# KiCad board frankenso.kicad_pcb (continued)
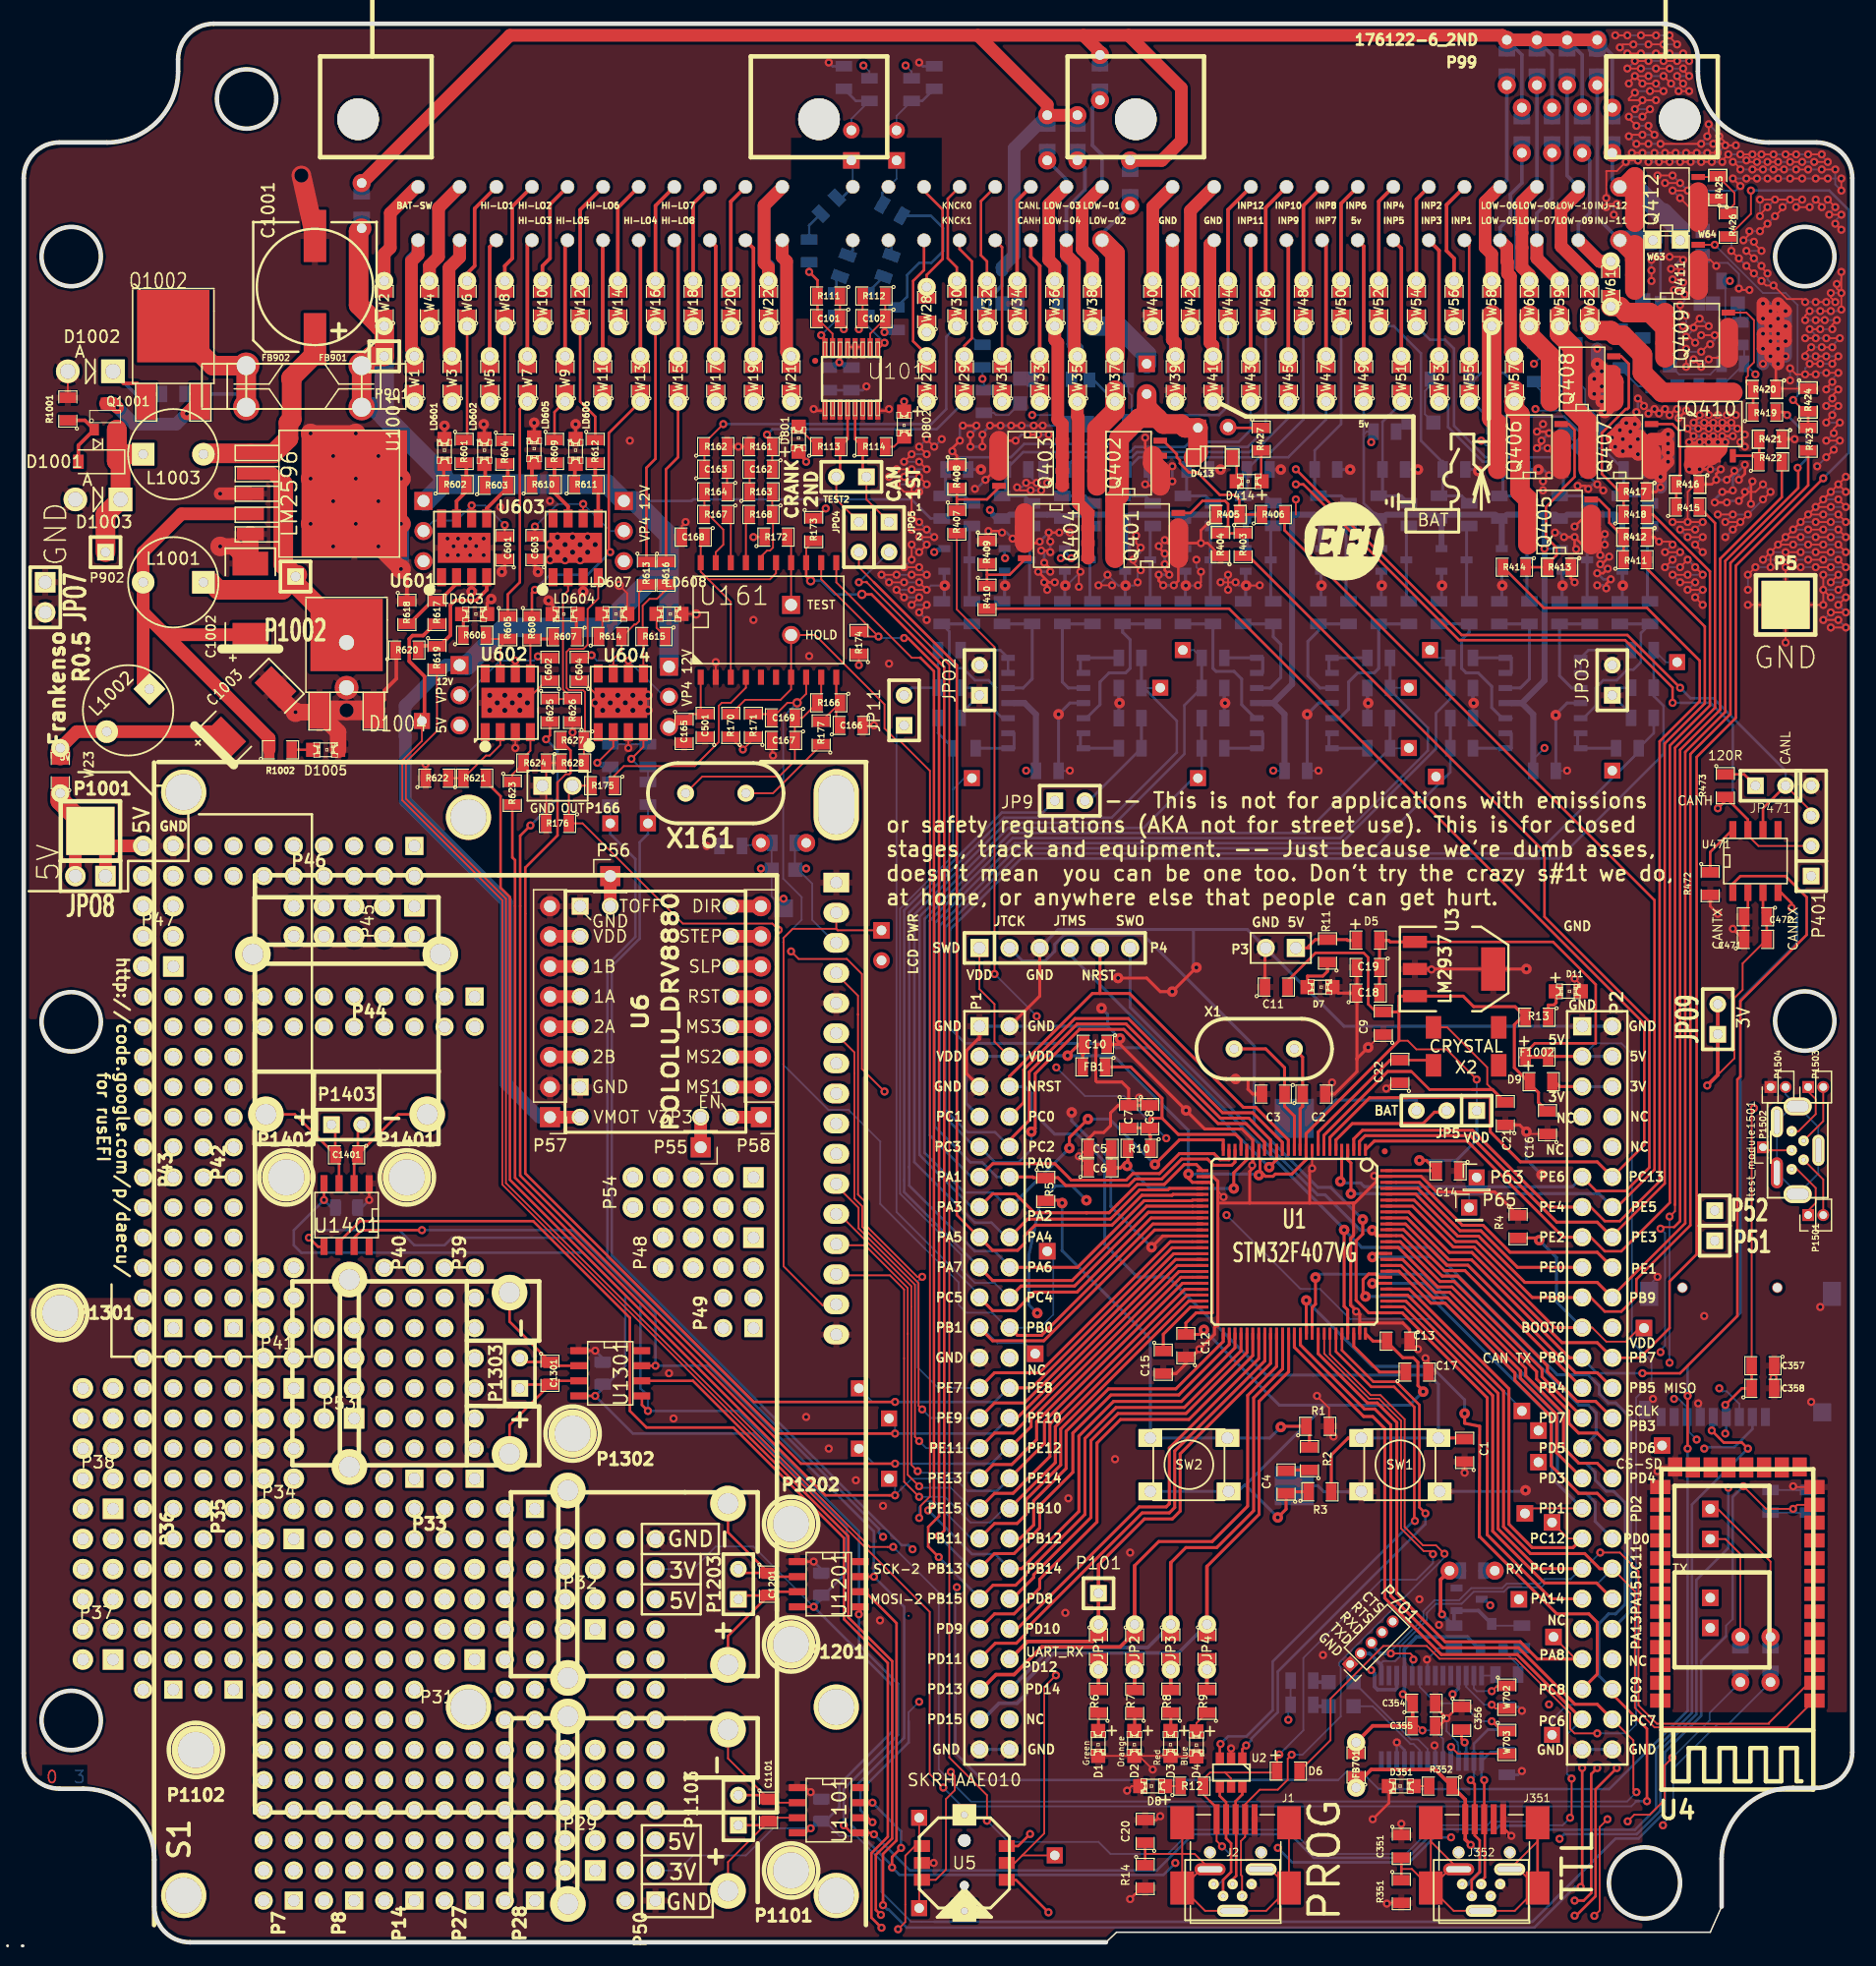
[diagram p0: board, top side]
## Routing (per net, layer and track width the routed paths; a pad name or vN(x,y) marks a point on that pad's centre or on a via; arc(x,y) is an arc through that point) (continued)
(no net): length 16
  Top w0.152: 107.22,120.35 v2(107.22,121.62)
  Bottom w0.254: v1(89.57,62.54) 88.36,63.75 86.96,63.75 85.69,62.48 84.72,57.91 84.72,53.74 v1(85.43,53.03)
/1A: length 1
  Top w0.152: W1.1 W1.1
/1C: length 1
  Top w0.152: W3.1 W3.1
/1E: length 1
  Top w0.152: W5.1 W5.1
/1K: length 1
  Top w0.152: W11.1 W11.1
/1N: length 1
  Top w0.152: W14.1 W14.1
/1Q: length 1
  Top w0.152: W17.1 W17.1
/1R: length 1
  Top w0.152: W18.1 W18.1
/1S: length 1
  Top w0.152: W19.1 W19.1
/1T: length 1
  Top w0.152: W20.1 W20.1
/1U: length 1
  Top w0.152: W21.1 W21.1
/2E: length 1
  Top w0.152: W27.1 W27.1
/2F: length 1
  Top w0.152: W28.1 W28.1
/2I: length 1
  Top w0.152: W31.1 W31.1
/3R: length 1
  Top w0.152: W56.1 W56.1
/232-FROM-MCU: length 92.1
  Top w0.152: v2(132.88,32.85) 134.53,32.85 136.1,31.27 136.1,19.97 137.65,18.42 147.1,18.42 147.1,18.5 150.47,21.87 U4.2 ; v2(115.22,24.34) 116.87,24.34 117.13,24.09 v2(117.13,23.83)
  Top w0.254: 131.35,31.49 127.62,31.49 124.26,34.85 124.26,46.28 116.49,54.05 U1.78
  Bottom w0.152: v2(132.88,32.85) 131.52,31.49 131.26,31.49 130.39,30.61 128.18,30.61 127.8,30.23 125,30.23 124.62,29.85 122,29.85 120.99,28.84 118.91,28.84 117.97,27.9 117.97,27.29 115.22,24.55 v2(115.22,24.34) ; v2(117.13,23.83) 117.03,23.73 U351.5
  Bottom w0.305: v2(115.22,24.34) 114.33,24.34 113.58,25.09 113.58,25.24
/232-TO-MCU: length 92.2
  Top w0.152: P2.38 135.8,29.59 135.8,19.77 137.45,18.12 148.62,18.12 150.88,20.37 U4.1
  Top w0.254: P2.38 132.83,31.49 131.56,32.76 126.99,32.76 124.72,35.03 124.72,46.46 116.63,54.56 U1.79
  Bottom w0.152: P2.38 132.71,30.31 128.3,30.31 127.92,29.93 125.13,29.93 124.75,29.55 122.21,29.55 121.19,28.53 119.03,28.53 118.27,27.77 118.27,27.17 115.99,24.89 115.99,24.1 115.6,23.71 114.59,23.71 114.43,23.55 U351.1
  Bottom w0.305: U351.1 114.43,23.36 113.44,24.34 112.68,24.34
/adc_amp_divider/OUT1: length 127.2
  Top w0.254: P1.10 83.09,67.62 84.74,69.28 84.74,73.36 88.79,77.41 92.91,77.41 100.85,69.47 103.26,69.47 105.09,67.64 U1.17
  Bottom w0.152: R214.2 136.11,100.35 134.53,98.76 P15.1
  Bottom w0.216: P1.10 81.86,68.28 79.54,68.28 77.66,70.16 77.66,85.56 83.88,91.78 127.54,91.78 136.11,100.35 R214.2 137.38,101.92 R215.1
/adc_amp_divider/OUT2: length 126.5
  Top w0.254: v1(104.98,65.34) 105.6,65.96 U1.16
  Bottom w0.152: R224.2 138.4,107.91 P24.1
  Bottom w0.216: 80.1,75.77 79.36,75.77 78.09,77.05 78.09,85.38 84.06,91.35 129.4,91.35 138.21,100.16 138.21,104.22 137.38,105.05 R225.1 R224.2
  Bottom w0.254: P1.7 79.41,70.73 79.41,75.09 80.1,75.77 91.71,75.77 92.08,75.4 94.92,75.4 v1(104.98,65.34)
/adc_amp_divider/OUT3: length 105.6
  Top w0.254: P1.12 85.05,64.51 85.11,64.45 87.17,64.45 87.83,63.79 93.12,63.79 93.67,64.34 95.91,64.34 97.59,66.02 99.78,66.02 100.29,65.5 101.83,65.5 102.09,65.77 U1.23
  Bottom w0.152: P25.1 119.18,108.27 R234.2
  Bottom w0.216: R235.1 120.24,104.81 119.03,103.61 119.03,100.61 111.06,92.64 83.52,92.64 76.79,85.91 76.79,68.74 79.79,65.74 80.78,65.74 82.01,64.51 P1.12
  Bottom w0.254: R234.2 R235.1 119.92,105.73
/adc_amp_divider/OUT4: length 111.8
  Top w0.254: v1(84.93,68.32) 85.25,68.58 85.25,73.22 88.98,76.95 92.72,76.95 100.66,69.01 103,69.01 104.58,67.43 U1.18
  Bottom w0.152: 119.92,98.31 119.92,98.25 P26.1
  Bottom w0.216: R244.2 120.24,98.62 113.83,92.21 83.7,92.21 77.22,85.73 77.22,69.98 80.15,67.05 P1.9 81.86,65.74 83.85,65.74 84.93,66.82 v1(84.93,68.32)
  Bottom w0.254: 120.24,100.33 R244.2 R245.1
/adc_amp_divider/OUT5: length 103.3
  Top w0.254: v1(89.7,69.39) 88.13,67.83 v1(88.13,66.94) ; U1.25 101.1,67.64 97.41,67.64 v1(95.34,65.57)
  Bottom w0.152: P59.1 116.73,100.65 R254.2
  Bottom w0.216: R254.2 108.02,93.5 83.16,93.5 75.93,86.27 75.93,66.56 79.28,63.2 81.69,63.2 82.92,61.97 P1.14
  Bottom w0.254: v1(95.34,65.57) 91.52,69.39 v1(89.7,69.39) ; v1(88.13,66.94) 83.17,61.97 P1.14 ; R255.1 R254.2 115.48,100.65
/adc_amp_divider/OUT6: length 106.7
  Top w0.254: U1.24 101.58,65.96 100.84,65.96 100.32,66.48 97.4,66.48 95.72,64.79 93.48,64.79 92.93,64.25 88.29,64.25 86.91,65.63 81.67,65.63 P1.11
  Bottom w0.152: R265.1 115.18,105.75 P60.1
  Bottom w0.216: R265.1 115.16,105.56 118.34,102.37 118.34,100.44 110.97,93.07 83.34,93.07 76.36,86.09 76.36,68.03 79.88,64.51 P1.11
  Bottom w0.254: R264.2 R265.1 115.48,105.73
/adc_amp_divider/OUT7: length 88.7
  Top w0.254: P1.16 84.62,60.96 91.59,60.96 94.05,63.42 94.05,63.42 96.44,63.42 96.57,63.55 U1.29
  Bottom w0.152: R274.2 98.63,108.92 P61.1
  Bottom w0.216: R275.1 97.82,104.27 97.82,100.16 92.03,94.37 82.8,94.37 75.06,86.63 75.06,65.77 80.17,60.66 81.57,60.66 82.8,59.43 P1.16
  Bottom w0.254: R274.2 R275.1 98.97,105.73
/adc_amp_divider/OUT8: length 84.8
  Top w0.254: 89.57,61.49 85.19,61.49 83.59,63.08 81.66,63.08 P1.13 ; 89.57,61.49 89.63,61.49 ; 89.57,61.49 91.47,61.49 93.86,63.88 96.13,63.88 97.81,65.56 98.83,65.56 U1.26
  Bottom w0.152: P62.1 99.28,98.45 R284.2
  Bottom w0.216: P1.13 79.9,61.97 75.5,66.38 75.5,86.45 82.98,93.94 94.39,93.94 99.28,98.83 R284.2
  Bottom w0.254: R284.2 R285.1
/adc_amp_divider/OUT9: length 71.1
  Top w0.254: P1.17 81.66,55.78 88.37,55.78 94.64,62.05 98.51,62.05 U1.32
  Bottom w0.216: P1.17 74.2,63.24 74.2,86.99 82.45,95.23 85.91,95.23 JP9.1
/adc_amp_divider/OUT10: length 92.1
  Top w0.254: U1.31 98.51,62.56 98.46,62.51 94.44,62.51 88.82,56.89 P1.18
  Bottom w0.152: P64.1 95.77,105.73 R305.1
  Bottom w0.216: 74.63,65.36 74.63,86.81 82.63,94.8 91.7,94.8 97.19,100.29 97.19,102.95 94.41,105.73 R305.1 ; 74.63,65.36 74.63,65.35 ; 74.63,65.36 74.63,63.79 80.17,58.25 81.82,58.25 83.09,56.98 P1.18
  Bottom w0.254: R304.2 R305.1
/adc_amp_divider/OUT11: length 73.9
  Top w0.254: P1.19 81.66,53.24 83.61,53.24 85.17,54.81 88.78,54.81 89.14,55.17 95.02,61.06 U1.34
  Bottom w0.152: JP11.1 73.56,101.93 73.56,61.56 80.55,54.57 P1.19
/adc_amp_divider/OUT12: length 77.3
  Top w0.254: P1.20 84.06,55.32 88.57,55.32 94.79,61.54 U1.33
  Bottom w0.152: 78.33,97.18 78.33,91.59 73.86,87.13 73.86,63.1 79.03,57.94 79.03,56.73 80.17,55.58 81.82,55.58 83.05,54.35 P1.20 ; 78.33,97.18 79.28,98.13 P66.1 ; 78.33,97.18 R324.2
  Bottom w0.216: R324.2 77.06,101.92 R325.1
/AN1-HARN: length 21.5
  Top w0.152: W55.1 W55.1
  Bottom w0.216: R211.1 133.05,125.94 132.49,125.94 129.83,128.61 123.35,128.61 122.08,129.88 W55.1
  Bottom w0.254: R212.1 136.43,121.92 R210.1 134.84,122.24 R211.1
/AN2-HARN: length 28.1
  Top w0.152: W54.1 W54.1
  Bottom w0.216: W54.1 118.52,135.08 119.79,135.08 120.56,134.32 120.56,127.82 123.2,125.18 128.94,125.18 129.76,124.35 R221.1
  Bottom w0.254: R222.1 131.35,121.92 R220.1 129.76,122.24 R221.1 129.76,124.84
/AN3-HARN: length 15
  Top w0.152: W53.1 W53.1
  Bottom w0.152: W53.1 119.54,129.62 120.05,129.62
  Bottom w0.216: R231.1 124.03,124.8 122.97,124.8 120.05,127.72 120.05,129.62
  Bottom w0.254: R232.1 126.27,121.92 R230.1 124.68,122.24 R231.1
/AN4-HARN: length 21.9
  Top w0.152: W52.1 W52.1
  Bottom w0.216: W52.1 115.48,136.23 117.76,133.94 117.76,126.58 119.6,124.73 R241.1
  Bottom w0.254: 119.6,124.84 R241.1 119.6,122.24 119.29,121.92 121.19,121.92 R242.1
/AN5-HARN: length 12.5
  Top w0.152: W51.1 W51.1
  Bottom w0.216: W51.1 116.11,129.75 114.52,128.16 R251.1
  Bottom w0.254: 116.75,121.29 116.11,121.92 114.21,121.92 114.52,122.24 R251.1
/AN6-HARN: length 19.7
  Top w0.152: W50.1 W50.1
  Bottom w0.216: W50.1 111.03,127.97 108.81,125.75 R261.1
  Bottom w0.254: 108.81,124.71 R261.1 108.81,122.24 109.13,121.92 111.03,121.92 111.67,121.29
/AN7-HARN: length 16
  Top w0.152: W47.1 W47.1
  Bottom w0.216: R271.1 104.13,125.18 106.59,125.18 109.76,128.35 W47.1
  Bottom w0.254: 105.32,121.29 104.68,121.92 R270.1 103.09,122.24 R271.1
/AN8-HARN: length 25.7
  Top w0.152: W48.1 W48.1
  Bottom w0.216: W48.1 107.86,128.35 105.11,125.61 103.95,125.61 103.52,125.18 98.84,125.18 98.01,124.35 R281.1
  Bottom w0.254: R282.1 99.6,121.92 R280.1 98.01,122.24 R281.1
/AN9-HARN: length 23
  Top w0.152: W45.1 W45.1
  Bottom w0.216: W45.1 106.59,128.48 104.15,126.04 103.77,126.04 103.34,125.61 98.66,125.61 98.23,125.18 94.01,125.18 92.98,124.14 R291.1
  Bottom w0.254: R292.1 94.52,121.92 R290.1 92.93,122.24 R291.1
/AN10-HARN: length 33.1
  Top w0.152: W46.1 W46.1
  Bottom w0.216: W46.1 104.68,127.56 103.16,126.04 98.48,126.04 98.05,125.61 93.83,125.61 93.4,125.18 88.68,125.18 87.85,124.35 87.85,124.14
  Bottom w0.254: R302.1 89.44,121.92 R300.1 87.85,122.24 87.85,124.14
/AN11-HARN: length 31.1
  Top w0.152: W43.1 W43.1
  Bottom w0.216: R311.1 84.24,125.61 93.22,125.61 93.66,126.04 97.87,126.04 98.3,126.47 102.4,126.47 103.41,127.49 W43.1
  Bottom w0.254: 82.77,124.71 R311.1 82.77,122.24 R310.1 84.36,121.92 R312.1
/AN12-HARN: length 39.3
  Top w0.152: W44.1 W44.1
  Bottom w0.216: R321.1 78.73,125.18 83.2,125.18 84.32,126.3 92.87,126.3 95.31,128.73 100.74,128.73 101.51,129.5 W44.1
  Bottom w0.254: 77.69,124.59 R321.1 77.69,122.24 R320.1 79.28,121.92 R322.1
/CAM: length 10.6
  Top w0.152: JPO5.1 71.03,121.62 TEST2.1
  Top w0.216: TEST2.1 70.71,123.85 R114.1 70.07,126.7 U101.5
/CAM+: length 1.4
  Bottom w0.216: P99.24 73.13,143.22 R104.1
/CAM-: length 4.2
  Bottom w0.152: P99.32 73.57,148.65 73.57,150.2
  Bottom w0.216: P99.32 72.36,147.45 R106.1
/can_brd_1/CAN_RX: length 189.6
  Top w0.216: v2(149,87.21) 149,87.59 148.12,88.48 U471.4 ; v2(140.24,46.06) v2(140.24,41.61)
  Top w0.254: P1.36 83.98,34.03 85.12,35.18 85.12,37.21 87.86,39.94 87.86,43.08 91.43,46.65 97.1,46.65 101.1,50.64 U1.51
  PWR w0.152: P1.36 81.82,32.76 81.82,31.2 80.93,30.31 79.03,30.31 v2(78.65,29.93)
  Bottom w0.152: 110.78,13.67 111.54,14.43 112.68,14.43 114.21,12.91 ; v2(78.65,29.93) 78.52,29.8 78.52,21.42
  Bottom w0.216: v2(149,87.21) 149.45,86.76 149.45,84.22 144.69,79.46 144.69,53.04 140.24,48.6 v2(140.24,46.06) ; 78.52,21.42 78.52,15.96 80.81,13.67 110.78,13.67 ; 114.21,12.91 133.64,12.91 140.24,19.51 v2(140.24,41.61)
/can_brd_1/CAN_TX: length 82.7
  Top w0.216: v2(136.43,47.96) 139.61,47.96 144.43,52.79 144.43,72.73 144.69,72.98 144.69,79.33 150.27,84.92 150.27,88.09 148.5,89.87 144.69,89.87 144.05,89.24 U471.1
  Top w0.254: 131.35,49.27 130.28,49.27 122.02,57.53 120.13,57.53 116.6,61.06 U1.92
  Bottom w0.216: v2(136.43,47.96) 132.62,47.96 131.35,49.23 131.35,49.27
/CANH: length 89.9
  Top w0.152: P401.2 146.21,92.41 145.32,93.3 U471.7 ; W33.1 W33.1
  Top w0.216: v2(142.78,95.59) 143.42,96.22 R473.2 145.32,94.64 U471.7 ; v2(107.22,122.89) 107.86,122.89 120.99,109.76 134.98,109.76 138.97,105.77 v2(138.97,104.48)
  PWR w0.216: v2(107.22,122.89) 105.32,122.89 104.05,124.16 103.61,124.16 102.34,125.43 90.08,125.43 W33.1
  Bottom w0.216: v2(138.97,104.48) 142.18,104.48 144.05,102.61 144.05,96.86 v2(142.78,95.59)
/CANL: length 93.4
  Top w0.152: JP471.2 150.66,95.33 P401.3 ; W34.1 W34.1
  Top w0.216: JP471.2 146.59,95.59 U471.6 ; v2(139.61,105.75) 135.16,110.19 121.19,110.19 v2(107.22,124.16)
  PWR w0.216: v2(107.22,124.16) 105.32,126.07 90.08,126.07 87.54,128.61 87.54,133.69 85,136.23 W34.1
  Bottom w0.216: JP471.2 148.5,98.76 142.39,104.87 140.48,104.87 139.61,105.74 v2(139.61,105.75)
/CRANK: length 10.6
  Top w0.152: JPO4.1 68.49,121.62 TEST2.2
  Top w0.216: TEST2.2 68.8,123.85 R113.2 69.44,126.7 U101.4
/CRK2+: length 1.4
  Bottom w0.216: R103.1 69.88,142.64 P99.23
/CRK2-: length 4
  Bottom w0.152: 69.76,150.2 69.88,150.07 P99.31
  Bottom w0.216: P99.31 68.97,147.06 R102.1
/CS_SD: length 43.3
  Top w0.254: U1.85 116.22,57.55 118.99,54.78 120.18,54.78 126.6,48.37 126.6,47.75 129.77,44.57 129.77,41.68 131.08,40.38 132.62,40.38 P2.32
  PWR w0.216: v2(141.64,41.61) 140.62,40.6 136.56,40.6 135.07,39.11 P2.32
  Bottom w0.216: v2(141.64,41.61) 141.77,41.74 144.18,41.74 145.7,43.26 P352.2
/DD_HIP9011/CS: length 101.6
  Top w0.152: U161.8 65.95,105.24 v3(65.18,104.48) 64.36,104.48 C169.2 62.77,103.53 R171.2
  Top w0.254: P1.22 83.75,51.16 85.79,51.16 86.44,51.81 95.18,60.55 U1.35
  Bottom w0.152: P12.1 86.77,57.74 86.77,52.92 85.67,51.81 P1.22 82.87,51.81 81.62,53.07 79.46,53.07 78.8,53.73 78.8,55.63 72.19,62.23 72.19,67.5 69.53,70.16 67.83,70.16 64.02,73.97 64.02,84.64 65.57,86.19 65.57,88.09 64.02,89.64 64.02,103.31 v3(65.18,104.48)
/DD_HIP9011/INT/HLD: length 128.6
  Top w0.152: v2(75.47,35.77) 75.6,35.9 75.6,36.79 76.38,37.57 76.38,98.74 73.82,101.3 73.57,101.3 72.55,102.32 72.55,104.35 66.71,110.19 P165.2 U161.7 64.68,105.62 63.79,104.73 60.8,104.73 R170.2
  Top w0.254: P1.35 81.82,35.3 83.73,35.3 84.49,36.07 84.49,37.32 87.4,40.24 87.4,43.27 98.18,54.05 U1.48
  Bottom w0.152: v2(75.47,35.77) 75.47,36.66 75.98,37.17 76.74,37.17 79.88,34.03 P1.35
/DD_HIP9011/INTOUT: length 17.7
  Top w0.152: R175.1 49.75,98.32 50.58,99.14 56.55,99.14 58.58,101.18 58.58,104.22 58.83,104.48 59.6,104.48 60.87,105.75 U161.4
/DD_HIP9011/OUT: length 90.4
  Top w0.152: v2(72.55,71.71) 70.65,73.62 70.65,81.62 69.38,82.89 65.31,82.89 v2(64.68,83.52) ; R175.2 P166.2 45.94,97.18 R176.1 47.1,94.32 55.55,85.87 63.09,85.87 v2(63.63,85.34)
  Top w0.216: P1.8 83.05,69.59
  Top w0.254: U1.15 106.08,67.43 103.58,69.93 101.04,69.93 93.1,77.87 88.6,77.87 84.28,73.54 84.28,70.78 P1.8
  PWR w0.152: v2(72.55,71.71) 73.31,70.95 81.69,70.95 83.05,69.59 P1.8 ; v2(64.68,83.52) 63.63,84.57 v2(63.63,85.34)
/DD_HIP9011/TEST: length 5.8
  Top w0.152: R172.2 64.68,118.13 U161.14 P165.1
/HD44780_CS: length 64.3
  Top w0.152: v2(75.73,44.91) 75.42,45.22 75.42,55.56 70.67,60.31 70.67,62.03 70.01,62.69 70.01,75.01 68.49,76.54
  Top w0.254: U1.40 96.92,58.04 84.35,45.46 81.82,45.46 P1.27
  Bottom w0.152: v2(75.73,44.91) 76.45,44.19 P1.27
/HD44780_D4: length 55.2
  Top w0.152: v2(75.47,42.25) 75.12,42.6 75.12,55.43 70.37,60.18 70.37,61.91 68.49,63.79 68.49,63.84
  Top w0.254: U1.42 97.22,57.05 84.41,44.23 84.41,43.92 83.42,42.92 81.82,42.92 P1.29
  Bottom w0.152: v2(75.47,42.25) 76.07,41.65 P1.29
/HD44780_D5: length 56.8
  Top w0.152: v2(75.34,39.71) 74.81,40.24 74.81,55.3 68.82,61.3 68.49,61.3
  Top w0.254: P1.31 81.71,40.27 83.27,40.27 85.37,42.37 85.37,43.9 97.53,56.06 U1.44
  Bottom w0.152: v2(75.34,39.71) 75.47,39.58 80.08,39.58 P1.31
/HD44780_D6: length 58.6
  Top w0.152: 74.51,51.34 74.51,51.26 ; 74.51,51.26 74.51,55.15 70.9,58.76 68.49,58.76 ; 74.51,51.26 74.51,39.4 v2(75.47,38.44)
  Top w0.254: U1.46 97.85,55.04 86.49,43.67 86.49,40.95 83.38,37.84 81.82,37.84 P1.33
  Bottom w0.152: v2(75.47,38.44) 75.6,38.31 78.14,38.31 79.88,36.57 P1.33
/HD44780_D7: length 58.7
  Top w0.152: v2(75.47,37.55) 74.2,38.82 74.2,55.02 73.01,56.22 68.49,56.22
  Top w0.254: P1.34 86.94,40.43 86.94,43.46 98.04,54.56 U1.47
  Bottom w0.152: v2(75.47,37.55) 77.63,37.55 79.79,35.39 81.44,35.39 82.62,36.57 P1.34
/HD44780_RS: length 66.4
  Top w0.152: 70.32,78.26 70.32,78.19 ; 70.32,78.19 70.32,63.02 71.03,62.31 71.03,60.38 75.32,56.09 v2(75.73,56.09) ; 70.32,78.19 70.32,79.79 68.49,81.62
  Top w0.254: P1.25 81.82,48 85.59,48 96.64,59.05 U1.38
  Bottom w0.152: v2(75.73,56.09) 75.34,55.71 75.34,48.47 77.08,46.73 P1.25
/HD44780_VCC: length 43.6
  Top w0.152: 68.61,85.3 68.49,85.43 ; 68.61,85.3 68.49,85.43 ; 68.61,85.3 JPO1.1 ; 68.49,85.43 68.49,86.7 ; 68.49,85.43 64.81,85.43 64.04,84.66 64.04,56.98 67.34,53.68 68.49,53.68
/HD44780_VLCD: length 11
  Bottom w0.152: 68.49,84.16 66.45,86.19 66.45,89.24 65.29,90.4 RV101.3 ; RV101.3 64.99,90.45 W101.1 ; RV101.3 65.84,90.4 v2(65.95,90.51)
/hi-lo/DOHL1: length 249.9
  Top w0.152: v2(77.5,13.04) 76.36,14.18 76.36,27.85 40.34,63.87 40.34,87.83 31.91,96.26 31.91,99.61 33.56,101.27 P69.1
  Top w0.216: v2(136.81,11.89) 136.81,17.99 133.47,21.33 P2.46
  Top w0.254: v1(108.87,56.04) 108.87,53.79 108.59,53.51 U1.66
  Top w0.305: P69.1 33.56,102.95 33.78,103.17 33.78,106.7 32.49,107.98 32.49,109.87 32.77,110.14 33.67,110.14 34.67,111.15 R617.2
  Bottom w0.152: 135.92,11.89 135.49,11.46 79.08,11.46 v2(77.5,13.04)
  Bottom w0.216: 135.87,11.89 v2(136.81,11.89)
  Bottom w0.254: v1(108.87,56.04) 109.15,56.32 117.95,56.32 129.83,44.44 129.83,41.62 131.06,40.38 131.69,40.38 132.44,39.62 132.44,38.96 133.38,38.02 134,38.02 135,37.03 135,28.51 134.17,27.68 133.58,27.68 132.75,26.86 132.75,22.47 P2.46
/hi-lo/DOHL2: length 237
  Top w0.152: v2(135.92,12.66) 135.67,12.91 135.67,17.02 P2.48 ; R619.2 34.83,102.11 32.21,99.49 32.21,96.39 40.64,87.96 40.64,64 71.31,33.32 v2(73.28,33.32)
  Top w0.254: P2.48 132.62,20.06 130.74,20.06 125.98,24.83 119.6,24.83 115.22,29.21 115.22,43.61 113.88,44.96 113,44.96 107.6,50.35 U1.64
  Bottom w0.152: P2.48 132.66,20.02 130.08,20.02 128.81,18.75 P67.1 ; v2(73.28,33.32) 77.12,29.48 77.12,14.56 79.82,11.87 135.13,11.87 v2(135.92,12.66)
/hi-lo/DOHL3: length 115
  Top w0.152: R621.2 38.96,97.84
  Top w0.216: 38.96,97.84 40.19,96.6 40.19,88.89 40.98,88.1 40.98,64.27 67.57,37.68 v2(73.44,37.68)
  Top w0.254: U1.45 97.67,55.55 86.03,43.91 86.03,42.05 P1.32
  Bottom w0.152: 79.54,38.06 78.52,39.07 74.84,39.07 v2(73.44,37.68) 73.44,38.56 P68.1
  Bottom w0.216: P1.32 82.03,38.06 79.54,38.06
/hi-lo/DOHL4: length 110.1
  Top w0.216: v2(73.44,40.34) 65.52,40.34 41.41,64.45 41.41,91.22 41.18,91.45 R623.2
  Top w0.254: P1.30 84.9,43.47 84.9,44.08 97.36,56.54 U1.43
  Bottom w0.152: P70.1 71.66,40.34 v2(73.44,40.34)
  Bottom w0.216: v2(73.44,40.34) 81.57,40.34 82.88,41.65 P1.30
/hi-lo/DOHL5: length 114.2
  Top w0.216: v2(73.44,42.88) 63.59,42.88 41.84,64.63 41.84,93.28 v2(42.71,94.14) ; v2(44.03,101.4) 44.36,101.73 R625.2
  Top w0.254: U1.41 97.09,57.55 83.73,44.19 P1.28
  Bottom w0.152: P72.1 73.44,43.64 v2(73.44,42.88)
  Bottom w0.216: v2(73.44,42.88) 81.69,42.88 83,44.19 P1.28 ; v2(44.03,101.4) 44.99,100.44 44.99,96.43 v2(42.71,94.14)
/hi-lo/DOHL6: length 112.5
  Top w0.152: 46.08,98.56 45.98,98.46 45.68,98.46 44.99,97.77 ; R627.2 45.31,101.24
  Top w0.216: v2(73.44,45.55) 61.53,45.55 42.27,64.81 42.27,90.58 44.99,93.3 44.99,97.77 ; 45.31,101.24 46.08,100.46 46.08,98.56
  Top w0.254: P1.26 84.97,46.73 96.78,58.54 U1.39
  Bottom w0.152: P71.1 71.53,45.55 v2(73.44,45.55)
  Bottom w0.216: v2(73.44,45.55) 81.82,45.55 83,46.73 P1.26
/hi-lo/DOHL7: length 124.4
  Top w0.254: P1.41 81.82,27.68 83.47,27.68 85.63,29.84 85.63,30.6 90.46,35.43 90.46,42.09 92.44,44.07 98.2,44.07 103.59,49.45 U1.56
  PWR w0.216: P1.41 78.33,26.41 72.43,32.31 v2(72.43,34.18)
  Bottom w0.152: R629.2 P74.1
  Bottom w0.216: v2(72.43,34.18) 72.09,34.52 72.09,34.85 49.2,57.74 49.2,82.4 51.55,84.75 51.55,91.32 49.44,93.43 P74.1
/hi-lo/DOHL8: length 121.2
  Top w0.254: P1.40 83.32,28.95 85.12,30.76 85.12,30.99 89.95,35.81 89.95,42.29 92.24,44.57 97.96,44.57 103.11,49.72 U1.55
  PWR w0.216: v2(74.91,33.13) 74.91,30.92 78.11,27.72 81.67,27.72 82.9,28.95 P1.40
  Bottom w0.152: R631.2 P73.1
  Bottom w0.216: P73.1 52.61,93.43 51.92,92.73 51.92,84.6 49.56,82.25 49.56,57.89 73.98,33.47 74.57,33.47 v2(74.91,33.13)
/hi-lo/VP: length 10.5
  Top w0.152: C601.2 v2(40.55,119.46) ; U601.6 v2(37.75,121.11)
  Bottom w0.152: P604.2 34.58,119.84 36.48,119.84 v2(37.75,121.11) 38.9,121.11 v2(40.55,119.46)
/hi-lo/VP2: length 10.1
  Top w0.152: v2(43.34,108.39) 43.48,108.25 C602.2 ; 41.44,106.95 v2(41.44,108.03)
  Bottom w0.152: P605.2 37.24,105.11 40.17,108.03 v2(41.44,108.03) 42.98,108.03 v2(43.34,108.39)
/hi-lo/VP3: length 11.3
  Top w0.152: C603.2 v2(43.09,119.34) ; U603.6 v2(47.15,121.24)
  Bottom w0.152: P606.2 49.44,118.96 v2(47.15,121.24) 44.99,121.24 v2(43.09,119.34)
/hi-lo/VP4: length 10.1
  Top w0.152: v2(50.96,108.03) U604.6 ; v2(47.86,108.49) 47.62,108.25 C604.2
  Bottom w0.152: v2(47.86,108.49) 48.32,108.03 v2(50.96,108.03) 53.88,105.11 54.39,105.11
/HL1: length 9.7
  Top w0.216: R601.1 37.37,126.88 W6.1
/HL2: length 9.7
  Top w0.216: W8.1 R604.1
/HL3: length 19.7
  Top w0.152: W7.1 W7.1
  Top w0.216: W7.1 41.82,129.24 41.82,114.64 40.8,113.62 R605.1
/HL4: length 24.8
  Top w0.152: W13.1 W13.1
  Top w0.216: v2(43.09,114) 42.83,113.75 R608.1 ; W13.1 49.31,127.21 49.31,117.3 v2(49.44,117.18)
  Bottom w0.216: v2(43.09,114) 44.36,115.27 47.53,115.27 v2(49.44,117.18)
/HL5: length 4.6
  Top w0.152: W9.1 W9.1
  Top w0.216: W9.1 44.74,128.99 R609.1
/HL6: length 11.1
  Top w0.152: W12.1 W12.1
  Top w0.216: R612.1 48.17,128.61 46.9,129.88 W12.1
/HL7: length 21.1
  Top w0.216: R613.1 52.48,124.29 53.25,125.05 W16.1 W16.1
/HL8: length 14.9
  Top w0.216: R616.1 54.14,124.16 55.15,125.18 W15.1 W15.1
/inj_12ch/INJ-01: length 23
  Top w1.651: 95.54,128.48 96.05,127.97 97.57,127.97 97.89,127.66 R401.1 98.97,125.53 D413.2 ; 95.54,128.48 94.01,128.48 92.32,126.79 92.32,121.99 91.98,121.65 Q401.2 Q401.2 Q401.2 Q401.2 ; 95.54,128.48 94.65,129.37 R402.2
/inj_12ch/INJ-01_5V: length 97.4
  Top w0.216: 131.35,64.51 132.53,63.33 135.03,63.33 137.02,65.31 137.02,77.6 128.18,86.44 128.18,91.9 103.22,116.86 R403.2
  Top w0.254: v1(110.97,64.13) 111.08,64.25 U1.5
  Bottom w0.152: 122.46,63.69 122.46,63.71 122.46,63.69 ; 122.46,63.69 P63.1
  Bottom w0.254: v1(110.97,64.13) 111.09,64.01 112.68,64.01 113,63.69 130.53,63.69 131.35,64.51
/inj_12ch/INJ-02_5V: length 100.5
  Top w0.216: R406.2 106.27,119.02 137.45,87.84 137.45,65.13 134.29,61.97 P2.14
  Top w0.254: U1.4 111.59,65.96 111.86,65.69 v1(111.86,63.11)
  Bottom w0.152: 121.83,63.11 121.83,63.08 121.83,63.11 ; 121.83,63.11 P65.1
  Bottom w0.254: v1(111.86,63.11) 132.76,63.11 P2.14
/inj_12ch/INJ-03_5V: length 130.4
  Top w0.152: R407.2 78.65,112.35 81.82,109.18 v2(81.82,81.62)
  Top w0.254: U1.88 116.02,59.05 119.37,55.7 120.56,55.7 127.97,48.29 127.97,47.67 131.35,44.28 131.35,44.19
  PWR w0.152: 131.35,44.19 130.76,44.79 P23.1 ; v2(96.3,67.77) 96.81,67.27 96.81,64.6 98.46,62.95 100.11,62.95 101.38,61.68 v2(101.38,61.3) ; v2(85.38,78.06) 87.03,76.41 v2(87.03,73.74)
  Bottom w0.152: v2(96.3,67.77) 92.74,71.33 89.44,71.33 v2(87.03,73.74) ; v2(85.38,78.06) v2(81.82,81.62) ; P23.1 126.27,44.91 118.65,52.53 111.79,52.53 109.25,55.07 107.6,55.07 101.25,61.42 v2(101.38,61.3)
/inj_12ch/INJ-04_5V: length 114.6
  Top w0.216: P2.12 136.58,67.21 136.58,77.43 101.59,112.42 R410.2
  Top w0.254: P2.12 132.62,65.78 126.14,65.78 123.6,68.32 123.6,71.24 113.43,71.18 110.09,67.84 U1.7
/inj_12ch/INJ-05_5V: length 88.2
  Top w0.216: R411.2 136.75,115.84 141.69,110.9 141.69,104.43 138.31,101.05 138.31,63.96 133.89,59.54 P2.16
  Top w0.254: P2.16 132.62,60.7 129.2,60.7 121.91,67.99 113.06,67.99 112.58,67.51 U1.2
/inj_12ch/INJ-06_5V: length 96.7
  Top w0.216: R414.2 128.11,112.48 136.81,112.48 141.26,108.03 141.26,104.6 137.88,101.23 137.88,64.14 134.53,60.79 133.26,60.79 132.07,61.97 131.35,61.97
  Top w0.254: 131.35,61.97 128.58,61.97 122.1,68.45 112.83,68.45 112.1,67.71 U1.3
/inj_12ch/INJ-07_5V: length 124.3
  Top w0.152: v2(138.72,61.17) 139.17,61.63 139.17,62.19
  Top w0.216: 139.17,62.16 139.17,100.69 142.55,104.07 142.55,119.63 R415.2
  Top w0.254: U1.84 116.08,57.05 118.8,54.33 119.99,54.33 126.14,48.18 126.14,47.56 129.2,44.5 129.2,41.27 131.35,39.11
  PWR w0.152: P20.1 129.02,39.11 131.35,39.11 132.49,40.26 132.49,44.79 131.86,45.42 130.72,45.42 130.21,45.93 130.21,47.45 130.72,47.96 135.03,47.96 135.92,48.85 v2(138.72,48.85)
  Bottom w0.152: v2(138.72,61.17) v2(138.72,48.85)
/inj_12ch/INJ-08_5V: length 93.5
  Top w0.216: 131.35,59.43 132.07,59.43 133.26,58.25 134.65,58.25 138.74,62.34 138.74,100.87 142.12,104.25 142.12,115.55 137.32,120.35 R418.2
  Top w0.254: U1.1 113.83,67.54 121.66,67.54 129.76,59.43 131.35,59.43
/inj_12ch/INJ-09_5V: length 105.6
  Top w0.216: v2(148.62,128.73) 148.37,128.99 R419.2 ; v2(149.51,124.29) 149.56,124.24 149.56,122.59 143.42,116.44 143.42,103.71 140.04,100.33 140.04,60.61 133.89,54.46 P2.20
  Top w0.254: P2.20 132.62,55.62 126.52,55.62 122.62,59.52 120.87,59.52 117.33,63.07 U1.96
  Bottom w0.216: v2(148.62,128.73) 150.27,127.08 150.27,125.05 v2(149.51,124.29)
/inj_12ch/INJ-10_5V: length 132.6
  Top w0.152: v2(137.96,60.15) 138.08,60.28 139.1,60.28
  Top w0.216: R422.2 148.18,121.81 142.98,116.62 142.98,103.89 139.61,100.51 139.61,60.79 139.1,60.28
  Top w0.254: U1.86 113.97,58.06 v1(113.67,57.76)
  PWR w0.152: v2(137.96,49.74) 137.37,49.16 135.8,49.16 134.91,48.27 127.85,48.27 125.13,45.55 125.13,43.9 125.89,43.14 P21.1 129.15,41.65 131.35,41.65
  Bottom w0.152: v2(137.96,60.15) 138.34,59.77 138.34,50.3 137.96,49.92 v2(137.96,49.74)
  Bottom w0.254: v1(113.67,57.76) 118.6,57.76 131.07,45.29 131.86,45.29 132.53,44.62 132.53,42.83 131.35,41.65
/inj_12ch/INJ-11_5V: length 102.8
  Top w0.216: R423.2 150.4,122.81 143.85,116.26 143.85,103.53 140.47,100.15 140.47,60.43 135.92,55.89 135.92,54.44 134.65,53.17 133.26,53.17 132.07,54.35 131.35,54.35
  Top w0.254: U1.95 117.19,62.56 120.68,59.06 122.43,59.06 127.14,54.35 131.35,54.35
/inj_12ch/INJ-12_5V: length 144.1
  Top w0.152: R426.2 145.58,145.69 v2(145.58,147.66)
  Top w0.216: P2.24 136.22,49.27 138.72,51.77 138.72,55.71 141,58 141,99.91 144.31,103.21 144.31,116.03 v2(151.67,123.4)
  Top w0.254: P2.24 132.62,50.54 129.66,50.54 122.05,58.15 120.16,58.15 116.74,61.57 U1.93
  Bottom w0.216: v2(151.67,123.4) 153.83,125.56 153.83,146.01 152.18,147.66 v2(145.58,147.66)
/KNOCK-INPUT-0: length 32.1
  Top w0.152: v2(58.96,127.97) 57.37,126.39 R162.1 C163.1 ; W30.1 W30.1